# KiCad board transistor_clock.kicad_pcb (continued)
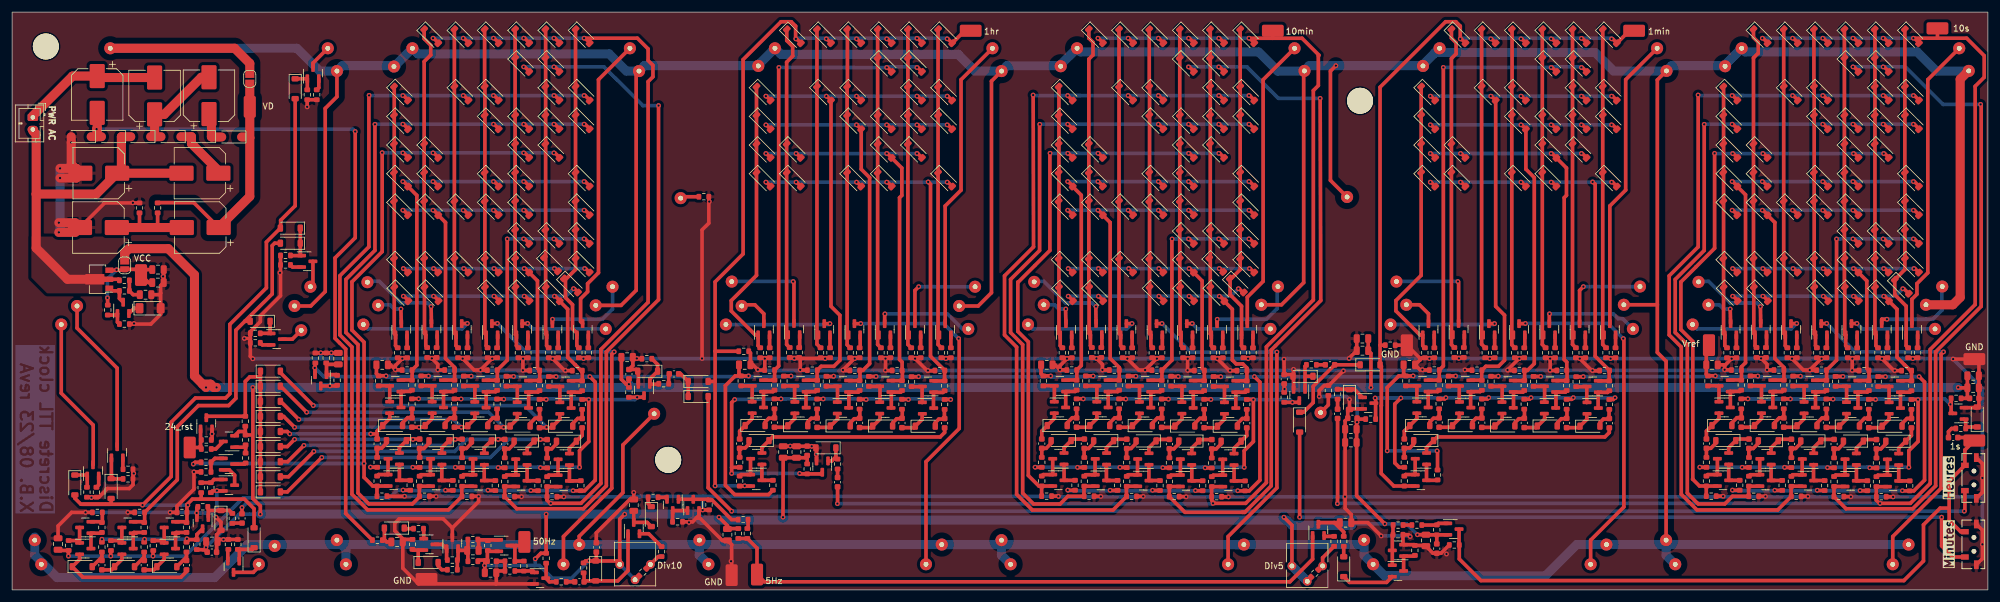
[diagram p0: board, top side]
## Routing (per net, layer and track width the routed paths; a pad name or vN(x,y) marks a point on that pad's centre or on a via; arc(x,y) is an arc through that point) (continued)
  Top w1.5: v1(7.94,69.85) 10.64,69.85 11.44,69.05 10.64,68.25 v1(7.94,68.25) ; v1(7.74,59.25) 10.44,59.25 C83.2 10.44,60.85 v1(7.74,60.85) ; D296.2 v1(9.79,74.15) 9.79,70.55 C74.2
  Bottom w0.6: 102.79,15.42 103.9,15.42 103.99,15.51 ; 102.79,15.42 v1(91.31,15.42) 91.21,15.52 v1(64.95,15.52) ; 102.79,15.42 102.89,15.52 v1(102.89,16.15) ; v1(64.58,38.33) 52.84,38.33 ; v1(64.58,38.33) v1(94.56,38.33) ; v1(64.58,38.33) 65.55,38.33 ; 52.84,38.33 51.09,38.33 ; 52.84,38.33 v1(52.84,39.3) ; 33.05,12.75 33.89,13.59 v1(33.89,16.45) ; 33.05,12.75 v1(30.55,12.75) 30.45,12.85 v1(12.15,12.85) ; 33.05,12.75 v1(33.75,12.05) ; v1(91.58,36.36) 64.55,36.36 ; v1(91.58,36.36) 63.55,36.36 ; v1(91.58,36.36) 91.59,36.37 ; 64.55,36.36 64.54,36.37 ; 64.55,36.36 63.55,36.36 ; 174.55,36.35 174.54,36.36 v1(151.56,36.36) 123.54,36.36 v1(123.41,36.49) ; 174.55,36.35 v1(201.58,36.35) ; 174.55,36.35 173.56,36.35 ; v1(51.09,39.3) 51.09,38.33 ; 51.09,38.33 39.87,38.33 v1(39.84,38.3) ; v1(124.57,38.33) 126.34,38.33 ; 126.34,38.33 153.75,38.33 ; 126.34,38.33 114.21,38.33 v1(114.19,38.35) 114.16,38.33 103.41,38.33 v1(103.39,38.35) 103.36,38.33 99.84,38.33 99.84,38.33 v1(94.56,38.33) ; v1(201.58,36.35) 173.56,36.35 ; v1(201.58,36.35) 201.59,36.36 211.9,36.36 v1(212.09,36.55) 212.27,36.36 234.45,36.36 ; v1(204.56,38.32) 211.05,38.32 211.06,38.33 221.27,38.33 v1(221.29,38.35) 221.31,38.33 v1(234.57,38.33) 263.75,38.33 ; v1(204.56,38.32) 175.55,38.32 ; v1(204.56,38.32) v1(174.58,38.32) 175.55,38.32 ; 114.29,15.51 103.99,15.51 ; 114.29,15.51 v1(173.18,15.51) 173.28,15.41 v1(201.31,15.41) 311.31,15.41 v1(311.31,15.42) 326.05,15.42 326.09,15.45 ; 114.29,15.51 v1(114.29,13.25) ; 103.99,15.51 103.52,15.51 ; v1(94.56,38.33) 65.55,38.33 ; 285.55,38.33 285.54,38.33 263.75,38.33 ; 285.55,38.33 v1(314.56,38.33) 312.85,38.33 ; 285.55,38.33 v1(284.58,38.33) 312.85,38.33 ; 153.75,38.33 175.54,38.33 175.55,38.32 ; 153.75,38.33 v1(154.55,38.33) ; 234.45,36.36 233.54,36.36 v1(233.41,36.49) ; 234.45,36.36 v1(261.56,36.36) 284.54,36.36 284.55,36.36 ; 263.75,38.33 v1(264.55,38.33) ; 63.55,36.36 v1(63.43,36.49) ; v1(321.25,38.25) 321.33,38.33 321.37,38.33 ; v1(321.25,38.25) 321.17,38.33 312.85,38.33 ; v1(321.25,38.25) 326.09,33.41 v1(326.09,18.55) 326.09,15.45 ; 284.55,36.36 v1(311.57,36.36) 283.56,36.36 ; 284.55,36.36 283.56,36.36 ; v1(326.09,7.55) 326.09,15.45 ; 65.55,38.33 65.54,38.34 ; 283.56,36.36 v1(283.42,36.49) ; 173.56,36.35 v1(173.43,36.48) ; v1(221.34,31.55) 220.84,32.05 v1(216.34,32.05) ; v1(226.59,8.95) 231.19,8.95
  Bottom w1.5: v1(7.74,59.25) 7.94,59.45 v1(7.94,69.85)
  vias: v1(70.19,15.5) v1(84.31,15.45) v1(180.19,15.49) v1(187.21,15.49) v1(194.31,15.44) v1(237.39,5.95) v1(239.45,38.37) v1(240.44,36.47) v1(244.56,38.33) v1(283.17,15.52) v1(290.19,15.49) v1(297.21,15.49) v1(304.31,15.44)
VCC: length 710.1
  Top w0.6: v1(86.59,5.15) 87.51,6.08 R232.1 v1(88.39,12.55) ; C73.2 R248.1 ; RV2.1 211.81,10.73 210.59,11.95 ; v1(232.59,9.15) C72.1 234.01,9.13 Q122.2 ; 323.39,31.75 323.6,31.96 C4.1 ; 323.39,31.75 R19.1 ; 323.39,31.75 C5.2 ; 210.54,34.14 210.54,33.53 ; v1(224.89,33.55) 224.89,39.2 C36.1 C15.1 ; v1(102.09,34.09) 101.65,34.09 100.84,34.9 C27.1 ; Q128.2 78.79,6.4 78.66,6.53 78.66,4.78 78.69,4.75 78.49,4.95 78.19,4.95 ; 78.19,4.95 78.24,4.9 78.24,4.1 v1(78.19,4.05) 78.24,4 C79.1 ; 78.19,4.95 77.09,4.95 ; D289.1 95.54,4.8 v1(95.49,4.85) 95.44,4.8 94.91,4.8 R234.2 ; D289.1 100.41,4.8 100.56,4.95 RV1.1 100.56,11.72 v1(101.39,12.55) ; D289.1 96.69,4.9 C69.2 ; 38.59,26.25 37.53,26.25 Q98.2 ; 38.59,26.25 38.59,25.73 R198.2 39.43,25.68 ; 38.59,26.25 R197.1 ; C58.1 32.12,7.08 v1(32.09,7.05) 32.12,7.02 32.12,6.44 C59.2 31.87,6.69 31.65,6.65 R329.1 ; R53.1 222.75,28.3 C20.2 222.52,28.37 222.52,27.87 v1(222.59,27.8) 222.52,27.73 C13.1 C19.1 222.52,15.62 v1(227.19,10.95) ; R1.1 53.67,33.8 v1(52.59,33.8) Q1.3 ; 210.54,33.33 v1(210.59,33.28) 210.54,33.23 210.54,32.74 ; v1(41.09,12.55) 41.09,13.91 39.85,15.15 39.85,33.54 ; 102.09,34.98 102.09,33.58 ; C2.1 322.15,33.49 v1(322.09,33.55) ; v1(127.59,12.05) C28.1 131.22,21.91 C29.2 R91.1 ; R240.1 118.46,10.18 C67.1 118.39,10.65 v1(116.99,12.05)
  Top w1.5: 18.64,54.75 18.64,55.85 19.34,56.55 25.84,56.55 30.19,52.2 30.19,35.45 31.54,34.1 ; 31.54,34.1 v1(32.09,33.55) ; 31.54,34.1 32.84,34.1 33.39,33.55 v1(33.84,33.55)
  Bottom w0.6: v1(78.19,4.05) 86.49,4.05 ; 86.49,4.05 87.29,4.05 89.39,1.95 92.59,1.95 v1(95.49,4.85) ; 86.49,4.05 86.59,4.15 v1(86.59,5.15) ; v1(41.09,12.55) 37.59,12.55 v1(32.09,7.05) ; v1(222.59,27.8) 222.59,33.55 ; v1(232.59,9.15) 230.79,10.95 v1(227.19,10.95) 221.94,10.95 221.69,10.7 ; v1(210.49,12.05) 211.59,10.95 ; RV1.1 RV1.2
  Bottom w1.5: v1(322.09,33.55) v1(224.89,33.55) 102.19,33.55 102.09,33.65 v1(102.09,34.09) ; 101.27,33.55 v1(39.84,33.55) v1(33.84,33.55) v1(32.09,33.55) ; 221.69,10.7 211.84,10.7 210.99,11.55 113.99,11.55 112.99,12.55 v1(101.39,12.55) v1(41.09,12.55) ; 214.35,1.44 RV2.1
/5Hz: length 106.1
  Top w0.6: Q119.1 215.24,5.1 211.49,1.35 124.49,1.35 TP9.1 123.29,6.93 R241.1 R240.2
/50Hz: length 6.8
  Top w0.6: 83.39,7.35 84.19,7.35 TP8.1 ; 83.39,7.35 83.21,7.18 R265.2 83.24,4.78 R230.1 ; 83.39,7.35 Q128.3
/clk_1hr: length 133.3
  Top w0.6: 139.72,91.31 139.83,91.31 140.5,90.65 ; 154.72,91.31 154.88,91.31 155.55,90.65 ; TP14.1 157.65,92.65 D65.2 ; 135.5,90.65 134.83,91.31 134.72,91.31 ; 130.51,90.64 129.84,91.3 129.67,91.3 129.67,93.42 128.95,94.15 127.25,94.15 120.99,87.88 120.99,55.68 116.35,51.05 116.35,39.55 ; 144.72,91.31 144.88,91.31 145.55,90.65 ; 116.35,39.55 R298.1 ; 116.35,39.55 116.35,34.55 ; D303.2 116.35,34.55 ; 116.35,34.55 116.35,17.45 ; 120.41,17.22 121.22,17.22 v1(121.25,17.25) 121.28,17.22 122.21,17.22 ; 150.55,90.72 149.88,91.39 149.72,91.39
  Bottom w0.6: v1(121.25,17.25) v1(116.35,17.25) ; 129.65,91.42 154.65,91.42
  vias: v1(129.71,91.31) v1(134.75,91.32) v1(139.75,91.32) v1(144.75,91.32) v1(149.75,91.39) v1(154.75,91.32)
/clk_1min: length 127.2
  Top w0.6: 260.55,90.73 259.88,91.39 v1(259.72,91.39) ; v1(244.72,91.32) 244.83,91.32 245.5,90.65 ; R273.2 228.67,17.22 226.59,19.3 226.59,30.51 226.61,30.53 226.61,37.09 D302.2 ; 226.4,40.55 226.4,83.3 237.25,94.15 238.95,94.15 239.67,93.43 v1(239.67,91.31) 239.84,91.31 240.51,90.64 ; 226.4,40.55 R274.1 ; 226.4,40.55 226.4,36.95 ; 250.5,90.65 249.83,91.32 v1(249.72,91.32) ; 232.21,17.22 231.28,17.22 ; 265.55,90.65 264.88,91.32 v1(264.72,91.32) ; D92.2 267.65,92.65 TP12.1 ; v1(254.72,91.32) 254.88,91.32 255.55,90.65 ; 231.22,17.22 230.41,17.22
  Bottom w0.6: 239.65,91.42 264.65,91.42
/clk_1s: length 117.3
  Top w0.6: 320.59,13.55 320.59,11.55 322.49,9.65 SW2.2 ; 320.59,13.55 320.59,18.04 SW1.2 323.19,23.19 TP10.1 324.25,25.25 C6.1 ; 320.59,13.55 319.09,13.55 316.34,10.8 316.34,4.8 313.09,1.55 243.09,1.55 239.51,5.12 R251.1 239.47,7.49 Q122.3
/clk_10min: length 199.6
  Top w0.6: 185.45,90.75 184.78,91.41 184.67,91.41 ; 204.67,91.41 204.83,91.41 ; 204.83,91.41 205.5,90.75 ; 204.83,91.41 208.65,91.41 ; 189.67,91.41 189.78,91.41 190.45,90.75 ; 200.5,90.75 199.83,91.41 199.67,91.41 ; 208.65,91.41 213.48,91.41 216.29,88.61 216.18,88.5 216.18,83.58 215.36,82.75 215.36,48.05 207.59,40.28 207.59,17.78 204.15,14.34 199.05,14.34 198.53,14.87 198.53,17.09 198.55,17.11 198.56,17.11 200.36,17.11 ; 208.65,91.41 TP13.1 ; 179.67,91.41 179.78,91.41 180.45,90.75 ; C30.1 136.62,14.33 ; 194.67,91.41 194.83,91.41 195.5,90.75
  Bottom w0.6: 198.75,14.25 v1(198.75,14.35) 198.65,14.25 194.15,14.25 v1(136.59,14.3) ; 179.67,91.41 204.67,91.41
  vias: v1(179.7,91.42) v1(184.7,91.42) v1(189.7,91.42) v1(194.7,91.42) v1(199.7,91.42) v1(204.7,91.42)
/clk_10s: length 238.9
  Top w0.6: 290.45,90.75 289.78,91.42 v1(289.67,91.42) ; v1(309.67,91.42) 309.83,91.42 310.5,90.75 ; TP11.1 318.65,91.42 ; 318.65,91.42 314.83,91.42 ; 318.65,91.42 323.48,91.42 326.39,88.51 326.39,84.95 324.89,83.45 324.89,47.29 317.45,39.85 317.45,17.65 314.15,14.35 v1(309.15,14.35) 309.05,14.35 308.52,14.88 R22.1 308.52,17.09 R21.2 308.56,17.11 Q11.2 ; v1(294.67,91.42) 294.78,91.42 295.45,90.75 ; 314.83,91.42 315.5,90.75 ; 314.83,91.42 v1(314.67,91.42) ; C21.1 219.37,15.33 v1(219.34,14.3) ; v1(304.67,91.42) 304.83,91.42 305.5,90.75 ; 300.45,90.75 299.78,91.42 v1(299.67,91.42)
  Bottom w0.6: 219.39,14.35 v1(309.15,14.35) ; v1(289.67,91.42) v1(314.67,91.42)
/Dot_H-M: length 3.1
  Top w0.6: R320.1 110.88,65.15 D316.1
/Dot_M-S: length 3.4
  Top w0.6: R321.1 217.84,30.67 D317.1
/Hours/24_rst: length 5.3
  Top w0.6: 31.19,23.85 31.19,23.48 R195.1 ; 31.19,23.85 Q97.1 ; 31.19,23.85 30.94,23.6 TP15.1
/Hours/CLK: length 97
  Top w0.6: 102.09,31.93 104.31,31.93 104.59,32.2 ; v1(59.31,20.35) 59.34,20.32 60.41,20.32 ; v1(74.31,31.64) 74.29,31.67 73.21,31.67 ; 67.43,20.3 66.35,20.3 v1(66.32,20.32) ; 87.3,31.59 88.38,31.59 v1(88.4,31.57) ; 94.34,31.56 95.41,31.56 v1(95.44,31.54) 95.44,24.6 93.91,23.07 v1(93.91,20.32) ; v1(73.35,20.32) 73.38,20.3 74.45,20.3 ; v1(87.45,20.25) 87.47,20.22 88.55,20.22 ; v1(81.38,31.62) 81.35,31.64 80.28,31.64 ; 81.55,20.25 80.47,20.25 v1(80.45,20.27) ; 66.19,31.69 67.26,31.69 v1(67.29,31.67)
  Bottom w0.6: v1(103.45,31.93) 103.06,31.54 v1(95.44,31.54) 95.31,31.67 v1(67.29,31.67) ; v1(93.91,20.32) 93.89,20.35 87.06,20.35 ; 87.06,20.35 87.35,20.35 v1(87.45,20.25) ; 87.06,20.35 v1(59.31,20.35)
/Hours/Clk_in: length 4.6
  Top w0.6: D323.1 D303.1 110.65,35.8 C41.1
/Hours/Div24_t_A: length 3.8
  Top w0.6: D318.1 Q104.1 48.86,82.89 R208.1
/Hours/Div24_t_B: length 6.5
  Top w0.6: R212.1 46.09,55.4 Q106.1 47.7,55.61 D294.1 D319.1
/Hours/Div24_t_C: length 3.9
  Top w0.6: R200.1 42.84,42.51 Q100.1 42.7,42.65 D295.1
/Hours/Div24_t_D: length 4.8
  Top w0.6: Q101.1 37.6,6.48 R202.1 39.76,6.71 D320.1
/Hours/Div24_t_E: length 4
  Top w0.6: R186.1 12.44,17.06 Q93.1 12.26,19.04 D321.1
/Hours/Div24_t_G: length 5.4
  Top w0.6: 18.36,18.4 16.44,18.4 D322.1 16.44,18.5 Q105.1
/Hours/Div24_u_A: length 54.4
  Top w0.6: 93.47,42.25 93.47,42.56 92.75,43.29 92.75,47.27 91.58,48.44 91.58,51.42 93.25,53.09 93.25,92.92 ; 93.46,42.25 93.46,40.47 93.8,40.13
/Hours/Div24_u_B: length 53
  Top w0.6: 88.8,40.13 88.46,40.47 88.46,42.25 ; 88.25,92.92 88.3,92.87 88.3,42.42 88.47,42.25
/Hours/Div24_u_C: length 53.1
  Top w0.6: 83.25,92.92 83.25,50.22 83.3,50.17 83.3,42.3 83.41,42.3 83.46,42.25 83.46,40.47 83.8,40.13
/Hours/Div24_u_D: length 53
  Top w0.6: 78.46,42.25 78.25,42.46 78.25,83.37 78.2,83.42 78.2,92.92 ; 78.46,42.25 78.46,40.47 78.8,40.13
/Hours/Div24_u_E: length 53
  Top w0.6: 73.8,40.13 73.46,40.47 73.46,42.25 73.2,42.52 73.2,92.92
/Hours/Div24_u_F: length 53.9
  Top w0.6: 68.45,42.29 68.25,42.49 68.25,50.17 68.2,50.22 68.2,87.55 69.29,88.64 69.29,90.25 68.2,91.34 D203.1 ; 68.46,42.25 68.46,40.48 68.81,40.13
/Hours/Div24_u_G: length 43.5
  Top w0.6: 63.81,40.13 63.46,40.48 63.46,42.25 63.25,42.47 63.25,83.37 63.2,83.42
/Hours/I0: length 5.1
  Top w0.6: 94.34,26.86 94.34,25.58 92.24,23.48 92.24,22.6
/Hours/I1: length 51.5
  Top w0.6: v1(51.25,21.95) 45.55,16.25 D271.2 ; 86.4,24.67 85.24,23.51 85.24,22.62 ; 86.39,24.67 86.64,24.92 87.42,24.92 v1(87.45,24.95) 87.48,24.92 88.55,24.92
  Bottom w0.6: v1(51.25,21.95) 79.15,21.95 82.15,24.95 v1(87.45,24.95)
/Hours/I2: length 43.6
  Top w0.6: v1(49.95,22.95) 45.75,18.75 44.45,18.75 ; 79.32,24.7 79.57,24.95 80.45,24.95 v1(80.45,24.95) 80.45,24.95 81.54,24.95 ; 78.14,22.67 78.14,23.56 79.3,24.72
  Bottom w0.6: v1(80.45,24.95) 75.25,24.95 73.25,22.95 49.8,22.95
/Hours/I3: length 35.3
  Top w0.6: 74.47,24.97 73.37,24.97 v1(73.35,24.95) 73.33,24.97 72.54,24.97 72.3,24.73 ; 72.28,24.72 71.11,23.56 71.11,22.67 ; v1(48.3,23.95) 45.6,21.25 44.45,21.25
  Bottom w0.6: v1(48.3,23.95) 72.35,23.95 v1(73.35,24.95)
/Hours/I4: length 27.3
  Top w0.6: v1(46.75,24.95) 45.55,23.75 D274.2 ; 67.45,25 66.4,25 v1(66.35,24.95) 66.3,25 65.52,25 64.1,23.58 64.1,22.7
  Bottom w0.6: v1(66.35,24.95) v1(46.75,24.95)
/Hours/I5: length 21.3
  Top w0.6: 60.41,25.85 v1(59.35,25.85) ; 60.41,25.85 60.41,25.02 ; 60.41,25.85 60.41,26.32 61.32,27.24 ; 61.34,27.27 62.5,28.43 62.5,29.32 ; v1(45.95,25.85) 45.55,26.25 D275.2
  Bottom w0.6: v1(59.35,25.85) v1(45.95,25.85)
/Hours/I6: length 28.5
  Top w0.6: 68.36,27.24 68.09,26.96 67.36,26.96 v1(67.35,26.95) 67.34,26.96 66.18,26.96 ; 68.36,27.24 69.53,28.4 69.53,29.29 ; D276.2 44.95,28.75 v1(46.75,26.95)
  Bottom w0.6: v1(67.35,26.95) v1(46.75,26.95)
/Hours/I7: length 36.6
  Top w0.6: D277.2 44.45,31.25 v1(47.45,28.25) ; 75.43,27.22 76.59,28.38 76.59,29.27 ; 75.41,27.21 75.16,26.96 74.36,26.96 v1(74.35,26.95) 74.34,26.96 73.21,26.96
  Bottom w0.6: v1(47.45,28.25) 73.05,28.25 v1(74.35,26.95)
/Hours/I8: length 44.6
  Top w0.6: D278.2 44.45,33.75 v1(48.75,29.45) ; 83.61,29.22 83.61,28.33 82.45,27.17 ; 82.44,27.16 82.21,26.94 81.36,26.94 v1(81.35,26.95) 81.34,26.94 80.26,26.94
  Bottom w0.6: v1(81.35,26.95) 78.85,29.45 v1(48.75,29.45)
/Hours/I9: length 52.9
  Top w0.6: 87.29,26.89 88.39,26.89 v1(88.45,26.95) 88.51,26.89 89.24,26.89 90.65,28.3 90.65,29.19 ; v1(49.85,30.55) 44.4,36 D287.2
  Bottom w0.6: v1(88.45,26.95) 84.85,30.55 v1(49.85,30.55)
/Hours/Ih0: length 22.9
  Top w0.6: Q112.2 11.18,5.06 D270.1 11.71,2.1 27.93,2.1 28.86,3.04 C54.2
/Hours/Ih1: length 4.9
  Top w0.6: Q156.2 18.18,5.06 D291.1 16.44,3.33 C52.2
/Hours/Ih2: length 4.9
  Top w0.6: Q114.2 25.18,5.06 D288.1 23.44,3.33 C55.2
/Hours/O0: length 185.6
  Top w0.6: 94.83,91.42 95.5,90.75 ; 94.83,91.42 v1(94.67,91.42) ; 94.83,91.42 103.48,91.42 105.26,89.64 105.26,87.73 106.06,86.93 106.06,85.02 105.26,84.22 105.26,47.66 97.45,39.85 97.45,17.65 94.15,14.35 v1(89.15,14.35) 89.05,14.35 88.53,14.88 88.53,17.1 88.55,17.12 88.56,17.12 90.36,17.12 ; v1(69.67,91.42) 69.78,91.42 70.45,90.75 ; 90.5,90.75 89.83,91.42 v1(89.67,91.42) ; v1(79.67,91.42) 79.78,91.42 80.45,90.75 ; 75.45,90.75 74.78,91.42 v1(74.67,91.42) ; C56.1 v1(38.05,13.65) ; v1(84.67,91.42) 84.83,91.42 85.5,90.75
  Bottom w0.6: v1(69.67,91.42) v1(94.67,91.42) ; v1(38.05,13.65) 38.75,14.35 v1(89.15,14.35)
/Hours/O1: length 116.5
  Top w0.6: 85.5,86 84.83,86.67 v1(84.67,86.67) ; 83.36,17.14 81.56,17.14 81.55,17.15 81.53,17.12 81.53,15.47 ; 81.51,15.47 83.53,13.45 94.55,13.45 98.35,17.25 98.35,39.45 106.99,48.09 v1(106.99,80.25) ; v1(89.67,86.67) 89.83,86.67 90.5,86
  Bottom w0.6: v1(106.99,80.25) 104.39,80.25 97.97,86.67 v1(89.67,86.67) v1(84.67,86.67)
/Hours/O2: length 136
  Top w0.6: 95.5,81.25 94.83,81.92 v1(94.67,81.92) ; 59.05,81.91 59.05,56.85 54.25,52.05 54.25,42.25 56.25,40.25 56.25,15.85 58.85,13.25 72.21,13.25 74.45,15.5 ; v1(79.67,81.92) 79.78,81.92 80.45,81.25 ; v1(64.67,81.92) 64.78,81.92 65.45,81.25 ; 90.5,81.25 89.83,81.92 v1(89.67,81.92) ; 76.26,17.19 74.46,17.19 74.45,17.2 74.43,17.17 74.43,15.52 ; v1(74.67,81.92) 74.78,81.92 75.45,81.25
  Bottom w0.6: v1(64.67,81.92) 67.14,81.92 ; 67.14,81.92 v1(94.67,81.92) ; 67.14,81.92 59.12,81.92
  vias: v1(59.09,81.95)
/Hours/O3: length 119
  Top w0.6: v1(60.05,77.15) 60.05,56.25 55.25,51.45 55.25,42.65 57.25,40.65 57.25,16.05 59.05,14.25 66.25,14.25 67.43,15.43 67.43,15.53 ; v1(94.67,77.17) 94.83,77.17 95.5,76.5 ; 85.5,76.5 84.83,77.17 v1(84.67,77.17) ; 90.5,76.5 89.83,77.17 v1(89.67,77.17) ; v1(79.67,77.17) 79.78,77.17 80.45,76.5 ; 65.45,76.5 64.78,77.17 v1(64.67,77.17) ; 69.24,17.19 67.43,17.19 67.43,17.2 67.4,17.17 67.4,15.52
  Bottom w0.6: v1(94.67,77.17) v1(64.67,77.17) 60.07,77.17 v1(60.05,77.15)
/Hours/O4: length 125.4
  Top w0.6: 60.41,17.22 60.42,17.22 62.23,17.22 ; 60.41,17.22 60.39,17.2 60.39,15.55 ; 60.41,17.22 59.68,17.22 58.25,18.65 v1(58.25,20.95) 58.25,41.05 56.25,43.05 56.25,51.05 61.25,56.05 v1(61.25,72.45) ; v1(89.67,72.42) 89.83,72.42 90.5,71.75 ; v1(29.99,20.85) 30.29,21.15 R222.2 ; 65.45,71.75 64.78,72.42 v1(64.67,72.42) ; v1(69.67,72.42) 69.78,72.42 70.45,71.75 ; 85.5,71.75 84.83,72.42 v1(84.67,72.42)
  Bottom w0.6: v1(89.67,72.42) v1(64.67,72.42) 61.28,72.42 v1(61.25,72.45) ; v1(29.99,20.85) 30.09,20.95 v1(58.25,20.95)
/Hours/O5: length 70.2
  Top w0.6: 70.45,67 69.78,67.67 v1(69.67,67.67) ; 95.5,67 94.83,67.67 v1(94.67,67.67) ; v1(64.67,67.67) 64.78,67.67 65.45,67 ; D224.2 66.99,65.38 66.99,37.22 R134.1 ; 66.21,36.47 66.21,34.82 66.19,34.79 66.18,34.8 64.38,34.8 ; v1(84.67,67.67) 84.83,67.67 85.5,67 ; v1(79.67,67.67) 79.78,67.67 80.45,67
  Bottom w0.6: v1(64.67,67.67) v1(94.67,67.67)
/Hours/O6: length 66.7
  Top w0.6: 75.45,62.25 74.78,62.92 v1(74.67,62.92) ; v1(84.67,62.92) 84.83,62.92 85.5,62.25 ; 73.24,36.44 73.24,36.87 71.73,38.37 71.73,60.89 70.53,62.09 ; v1(69.67,62.92) 69.78,62.92 70.45,62.25 ; 65.45,62.25 64.78,62.92 v1(64.67,62.92) ; 80.45,62.25 79.78,62.92 v1(79.67,62.92) ; 95.5,62.25 94.83,62.92 v1(94.67,62.92) ; 73.24,36.44 73.24,34.79 73.21,34.77 73.21,34.77 71.4,34.77
  Bottom w0.6: v1(64.67,62.92) v1(94.67,62.92)
/Hours/O7: length 42
  Top w0.6: 78.46,34.75 80.27,34.75 80.28,34.74 80.3,34.77 80.3,36.42 ; v1(89.67,58.17) 89.83,58.17 90.5,57.5 ; 95.5,57.5 94.83,58.17 v1(94.67,58.17) ; v1(81.95,58.15) 81.95,38.07 80.29,36.41 ; v1(84.67,58.17) 84.83,58.17 85.5,57.5
  Bottom w0.6: v1(94.67,58.17) v1(84.67,58.17) v1(81.95,58.15)
/Hours/O8: length 57.1
  Top w0.6: 70.53,52.59 69.87,53.25 v1(69.75,53.25) ; v1(64.75,53.25) 64.87,53.25 65.53,52.59 ; v1(79.75,53.25) 79.87,53.25 80.53,52.59 ; v1(89.75,53.25) 89.92,53.25 ; v1(74.75,53.25) 74.87,53.25 75.53,52.59 ; 87.31,36.36 86.95,36.72 86.95,51.22 84.92,53.25 v1(84.75,53.25) ; 95.58,52.59 94.92,53.25 v1(94.75,53.25) ; 87.33,36.37 87.33,34.72 87.3,34.69 87.3,34.7 85.49,34.7
  Bottom w0.6: v1(64.75,53.25) v1(94.75,53.25)
/Hours/O9: length 51.9
  Top w0.6: v1(79.75,48.67) 79.87,48.67 80.53,48 ; 90.63,47.84 91.95,46.52 91.95,38.55 93.19,37.31 93.2,37.31 94.18,36.34 94.36,36.34 94.36,34.69 94.34,34.66 94.33,34.67 92.53,34.67 ; v1(69.75,48.67) 69.87,48.67 70.53,48 ; v1(89.75,48.67) 89.92,48.67 90.58,48 ; 85.58,48 84.92,48.67 v1(84.75,48.67) ; 65.53,48 64.87,48.67 v1(64.75,48.67) ; 93.75,49.25 93.08,49.92 v1(92.92,49.92)
  Bottom w0.6: v1(64.75,48.67) 91.67,48.67 v1(92.92,49.92)
/Hours/Oh0: length 3.6
  Top w0.6: Q113.2 14.74,11.3 R225.2 14.94,11.25 R226.1
/Hours/Oh1: length 62
  Top w0.6: 38.49,44.49 37.04,43.04 37.04,31.75 35.84,30.55 30.84,30.55 27.34,27.05 27.34,18.25 R325.1 21.94,11.25 R324.2 21.74,11.3 Q157.2 ; 38.49,44.49 43.05,49.05 43.05,57.05 43.45,57.45 D294.2 ; 38.49,44.49 38.51,44.51 D295.2 39.4,44.66
/Hours/Oh2: length 127.3
  Top w0.6: 31.15,15.05 31.29,15.19 R223.2 ; 31.15,15.05 29.85,15.05 28.94,14.14 R245.1 28.94,11.25 R229.2 28.74,11.3 Q155.2 ; 31.15,15.05 38.45,15.05 40.05,13.45 D320.2 ; D318.2 46.85,63.65 44.45,61.25 44.45,60 D319.2 42.09,57.64 42.09,50.05 36.04,44 36.04,32.5 35.34,31.8 30.34,31.8 26.34,27.8 26.34,18.8 v1(21.59,14.05) 21.44,14.2 11.67,14.2 ; D322.2 16.39,14.36 16.22,14.2 11.39,14.2 10.39,15.2 D321.2
  Bottom w0.6: v1(29.09,14.05) v1(21.59,14.05)
/Hours/SCR_stage10/RST: length 19.6
  Top w0.6: 28.93,8 28.93,8.48 ; R224.1 v1(14.86,8.4) ; Q158.3 30.57,9.17 R329.2 29.28,8.34 R228.1 ; 21.93,7.93 v1(21.93,8.4)
  Bottom w0.6: v1(28.93,8.48) 28.85,8.4 v1(14.86,8.4)
/Minutes/10counter/RST: length 95.2
  Top w0.6: v1(190.45,20.26) 190.47,20.24 191.55,20.24 ; v1(191.38,31.61) 191.35,31.63 190.28,31.63 ; 197.3,31.58 198.38,31.58 ; v1(205.44,31.53) 205.44,24.59 203.91,23.06 v1(203.91,20.31) ; 176.19,31.68 177.26,31.68 ; 213.04,31.36 212.76,31.09 210.54,31.09 ; 170.41,20.31 169.34,20.31 v1(169.31,20.34) ; 177.43,20.29 176.35,20.29 ; 184.45,20.29 183.38,20.29 ; 204.34,31.55 205.41,31.55 ; 198.55,20.21 197.47,20.21 ; R162.1 184.29,31.66
  Bottom w0.6: v1(177.29,31.66) 205.31,31.66 v1(205.44,31.53) 211.46,31.53 v1(211.9,31.09) ; v1(197.45,20.24) 197.35,20.34 197.06,20.34 ; 197.06,20.34 203.89,20.34 v1(203.91,20.31) ; 197.06,20.34 v1(169.31,20.34)
  vias: v1(176.33,20.31) v1(183.35,20.31) v1(184.31,31.63) v1(198.4,31.56)
/Minutes/10counter/SCR_stage1/NEXT: length 4.8
  Top w0.6: 188.14,22.66 188.14,23.55 189.3,24.71 ; 191.54,24.94 189.58,24.94 189.33,24.69
/Minutes/10counter/SCR_stage2/NEXT: length 4.8
  Top w0.6: 184.47,24.96 182.55,24.96 182.3,24.72 ; 182.28,24.71 181.11,23.55 181.11,22.66
/Minutes/10counter/SCR_stage3/NEXT: length 4.8
  Top w0.6: 174.1,22.69 174.1,23.58 175.52,24.99 177.45,24.99
/Minutes/10counter/SCR_stage4/NEXT: length 5.1
  Top w0.6: 170.41,25.01 170.41,26.31 171.33,27.23 ; 171.34,27.26 172.5,28.42 172.5,29.31
